# Altium PCB Radxa CM5 IO Board v2200.PcbDoc (part 2 of 8)
Units mil, origin at the board's own origin, x right, y up, seen from the top; angles counter-clockwise.
Board outline 6299.61 x 3544.09 mil, 4 copper layers (Top, GND, Power, Bottom), stack 35.4 mil thick; 482 components, 404 nets, 1857 pads, 2731 vias.
Unrouted connection lines stored in the file: 1872.
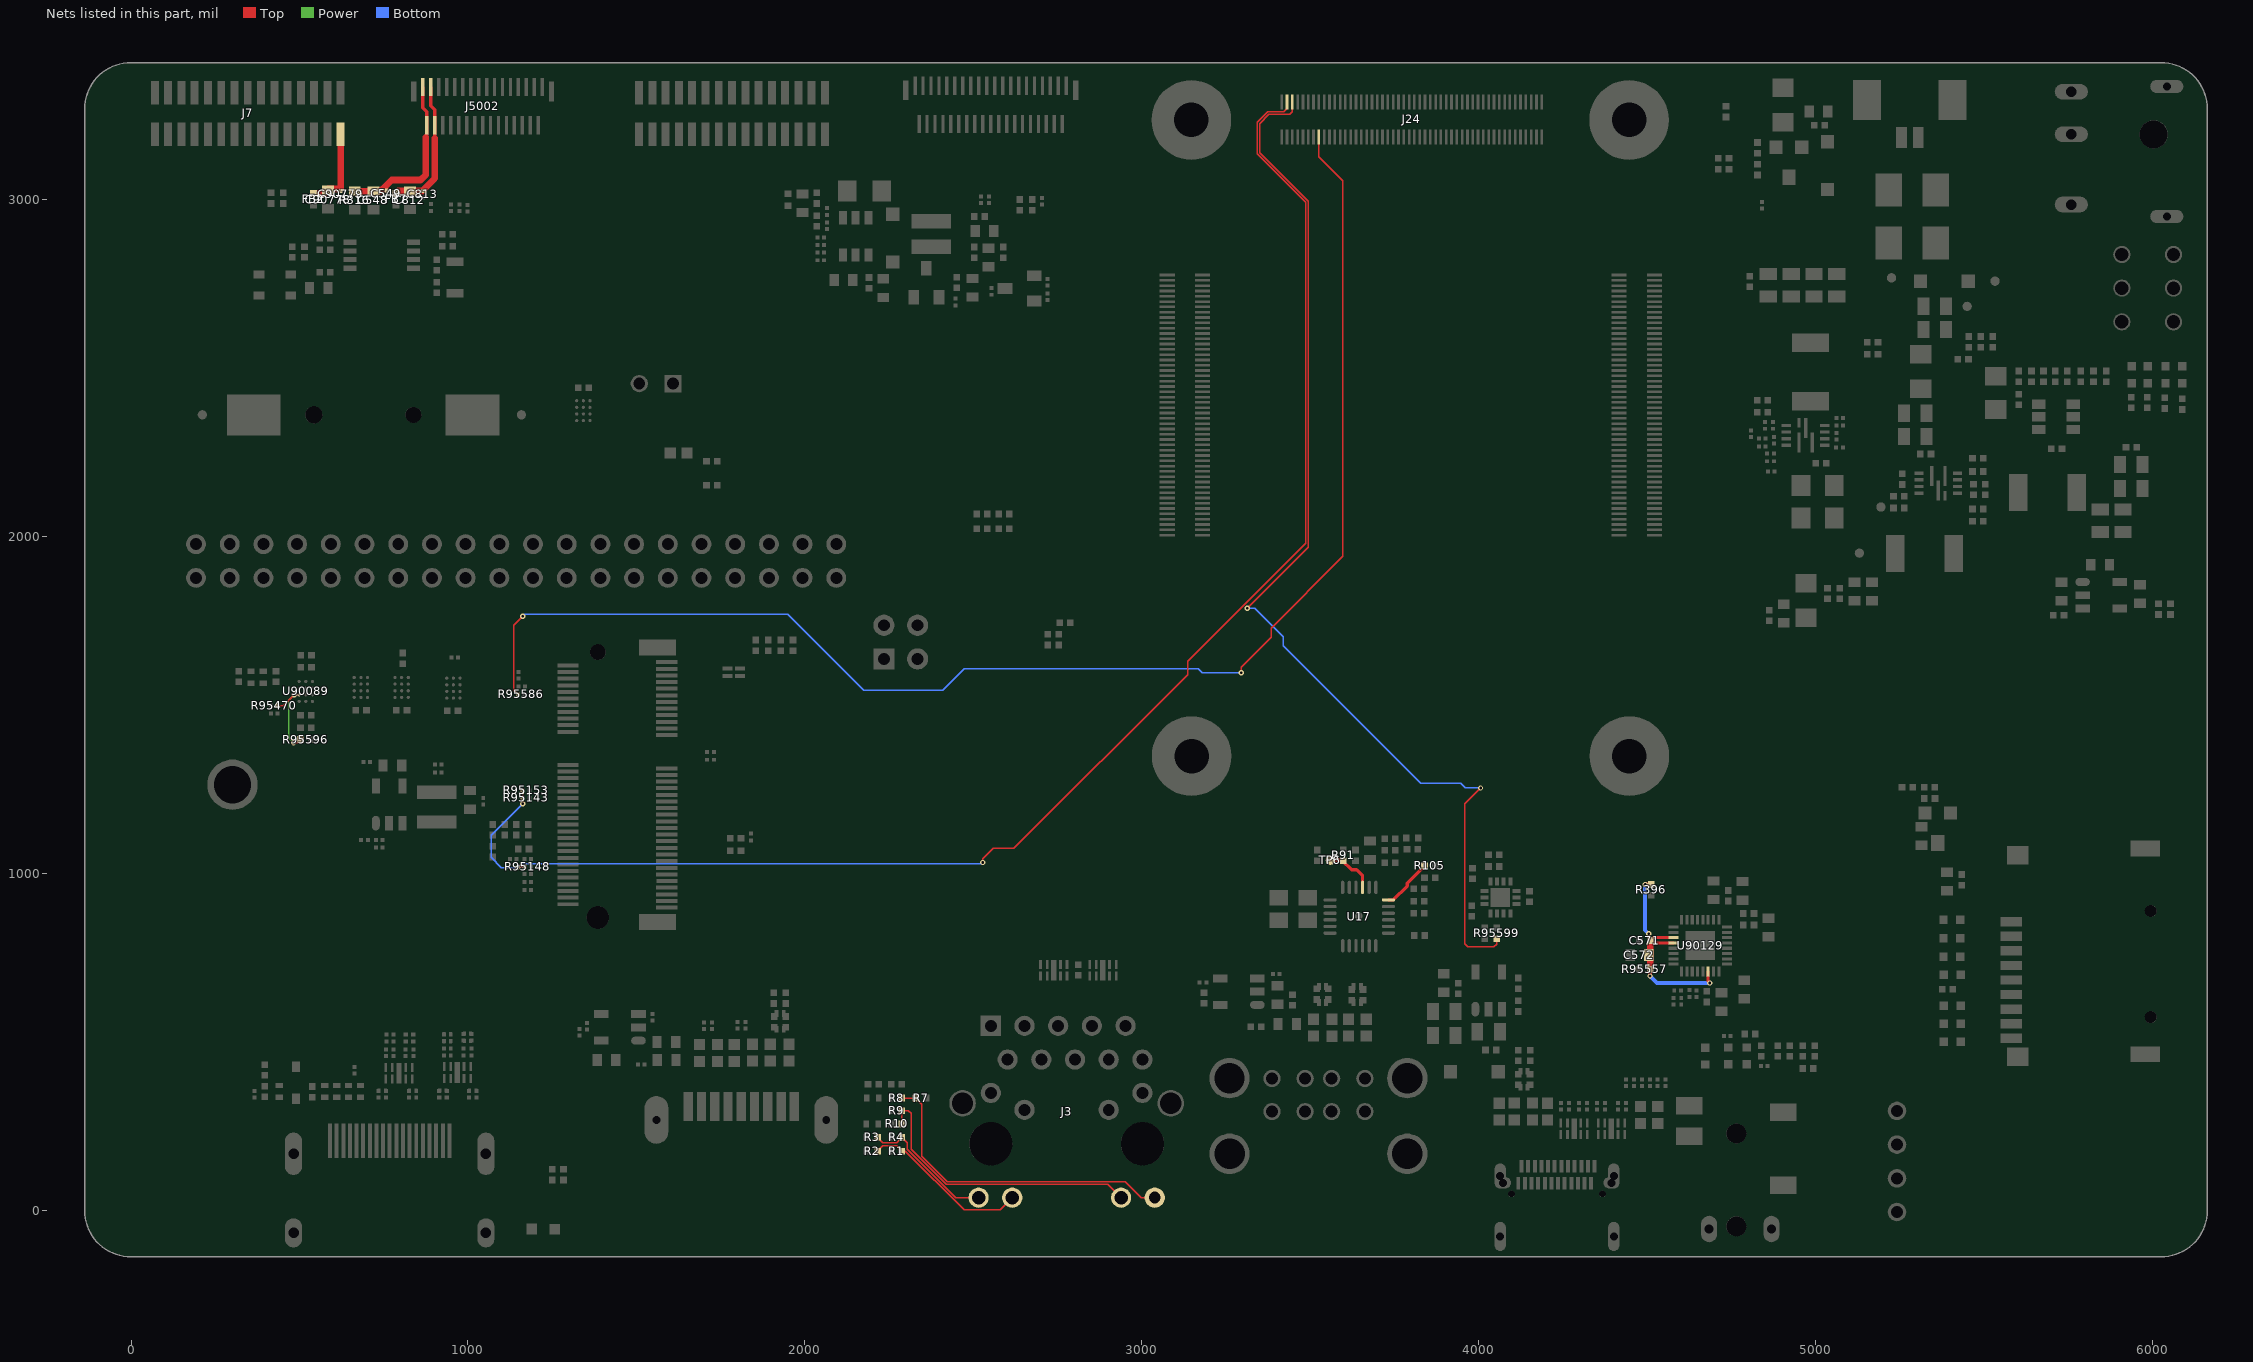
[diagram p3: the nets of this part, all layers, seen from the top]

## Footprints (in the part's own frame and the unit in brackets; to place one, negate y for a bottom-side part, rotate by r counter-clockwise, add the part's x,y. Pads: shape width x height; smd on the part's side, far side on the other; paste and mask are expansions set on the pad) (continued)
SON10_2R50X1R00X0R50 [mm]
  rect 0.2x0.675 smd: 1(-1,-0.437) 2(-0.5,-0.437) 4(0.5,-0.437) 5(1,-0.437) 6(1,0.437) 7(0.5,0.437) 9(-0.5,0.437) 10(-1,0.437)
  rect 0.4x0.775 smd: 3(0,-0.388) 8(0,0.388)
  silkscreen extent -1.46,-1.39 1.25,0.5
SOT23 [mil]
  rect 39x39 smd: 1(-38,-44.53) 2(38,-44.53)
  rect 39.37x47.24 smd: 3(0,44.53)
SOT23-6 [mm]
  rect 0.6x1 smd: 1(-0.95,-1.4) 2(0,-1.4) 3(0.95,-1.4) 4(0.95,1.4) 5(0,1.4) 6(-0.95,1.4)
  silkscreen extent -1.8,-1.9 1.5,0.8
SOT_23 [mm]
  rect 0.8x1.1 smd: 1(-0.95,-1.1) 2(0.95,-1.1) 3(0,1.1)
  silkscreen extent -1.6,-0.9 1.6,0.9
SOT_23_5 [mm]
  oval 1.1x0.6 smd: 1(-1.4,1)
  rect 1.1x0.6 smd: 2(-1.4,0) 3(-1.4,-1) 4(1.4,-1) 5(1.4,1)
  silkscreen extent -0.52,-1.5 0.55,1.5
SOT_23_6 [mm]
  rect 0.7x1 smd mask+0.05: 1(-0.95,-1.3) 2(0,-1.3) 3(0.95,-1.3) 4(0.95,1.3) 5(0,1.3) 6(-0.95,1.3)
  silkscreen extent -1.82,-1.72 1.75,0.7
TF-CKT01-009D [mm]
  rect 1.6x0.7 smd: 1(-10.516,3.2) 2(-10.516,2.1) 3(-10.516,1) 4(-10.516,-0.1) 5(-10.516,-1.2) 6(-10.516,-2.3) 7(-10.516,-3.4) 8(-10.516,-4.5) 9(-10.516,-5.6)
  rect 1.6x1.4 smd: 10(-10.016,-7) 13(-10.016,8.2)
  rect 2.2x1.2 smd: 11(-0.416,-6.8) 12(-0.416,8.7)
  round 0.9 hole 0.9 unplated: 14(0,4) 15(0,-4)
  silkscreen extent -10.52,-6.4 3.98,8.3
TP_0R70 [mm]
  round 0.7 smd: 1(0,0)
  silkscreen extent -0.45,-0.45 0.45,0.45
TYPEC-24PIN-SMD-OK [mm]
  rect 0.3x0.95 smd: A1(1.61,5.29) A2(2.11,5.29) A3(2.61,5.29) A4(3.11,5.29) A5(3.61,5.29) A6(4.11,5.29) A7(4.61,5.29) A8(5.11,5.29) A9(5.61,5.29) A10(6.11,5.29) A11(6.61,5.29) A12(7.11,5.29) B1(6.86,3.99) B2(6.36,3.99) B3(5.86,3.99) B4(5.36,3.99) B5(4.86,3.99) B6(4.36,3.99) B7(3.86,3.99) B8(3.36,3.99) B9(2.86,3.99) B10(2.36,3.99) B11(1.86,3.99) B12(1.36,3.99)
  oval 0.85x1.9 / inner oval 0.85x1.8 / far side oval 1x2.1 hole 0.6 slot 1.5 at 90 deg: E1(0,4.55) E6(8.56,4.55)
  oval 1.2x0.85 / inner oval 1.2x0.85 / far side oval 1.2x0.9 hole 0.6 slot 1 at 0 deg: E2(0.21,4.04) E5(8.38,4.04)
  oval 0.85x2.2 / inner oval 0.85x2.2 / far side oval 1x2.2 hole 0.6 slot 1.9 at 90 deg: E3(0,0)
  oval 0.85x2.2 / inner oval 0.85x2.2 / far side oval 1x2.25 hole 0.6 slot 1.9 at 90 deg: E4(8.56,0)
  round 0.5 hole 0.5: H1(0.85,3.2) H2(7.71,3.2)
  silkscreen extent -0.24,-2.35 8.87,5.55
USB30-L1 [mm]
  rect 0.7x2.2 smd: 1(-3,0) 2(-1,0) 3(1,0) 4(3,0) 5(4,0) 6(2,0) 7(0,0) 8(-2,0) 9(-4,0)
  oval 1.8x3.6 / inner oval 0.7x2.6 / far side oval 1.8x3.6 hole 0.584 slot 2.489 at 90 deg: 10(-6.4,-1) 11(6.4,-1)
  silkscreen extent -9.28,-14.64 9.29,0.92
USB_DUAL [mm]
  round 1.3 / inner round 0.9 / far side round 1.3 hole 0.9: 1(3.18,3.5) 2(3.18,1) 3(3.18,-1) 4(3.18,-3.5) 5(5.68,3.5) 6(5.68,1) 7(5.68,-1) 8(5.68,-3.5)
  round 3.048 / inner round 2.5 / far side round 3.048 hole 2.3: 9(0,6.7)
  round 3.048 / inner round 2.5 / far side round 3.048 hole 2.286: 10(0,-6.7) 11(5.7,6.7) 12(5.7,-6.7)
  silkscreen extent -9.97,-7.52 7.1,7.61
XIAO_4PIN_2D54 [mm]
  round 1.4 hole 0.9: 1(0.01,0) 2(2.55,0) 3(5.09,0) 4(7.63,0)
  silkscreen extent -1.19,-3.3 8.81,2.36

## Via types
v1: diameter 15.75, hole 7.87, Top to Bottom, 2292 vias
v2: diameter 19.68, hole 11.81, Top to Bottom, 439 vias

## Nets (pads, with @x,y where several pads share a name; then routed paths per layer and width w, separated by ;. In a path a pad name is that pad's centre, name@x,y a point inside that pad or via, vN(x,y) a via of type N, cw(c..) or ccw(c..) an arc to the next point about the centre after c; other vN are vias at no path point)
3V3_CAM1: C90778.1 C90779.1 FB2.2 J7.1 | length 256.6
  Top w11.81: C90779.1@622.05,3024.61 622.05,3030.51
  Top w19.68: FB2.2@541.34,3017.72 575.79,3017.72 C90778.1@584.65,3026.57 584.65,3030.51 622.05,3030.51 J7.1@622.05,3192.91
3V3_CAM2: C812.1 C813.1 FB7.2 J5002.28 J5002.29 | length 411
  Top w3.94: C813.1@864.17,3024.61 C813.1@866.14,3024.61
  Top w9.84: J5002.29@889.76,3332.68 889.76,3277.56 901.57,3265.75 J5002.28@901.57,3219.5 901.57,3197.5 901.57,3180.12
  Top w19.68: FB7.2@786.42,3017.72 793.31,3024.61 C812.1@827.76,3024.61 864.17,3024.61 901.57,3062.01 901.57,3180.12
5V_CAM: C548.1 C549.1 J5002.30 J5002.31 R316.2 | length 530
  Top w9.84: J5002.31@866.14,3332.68 866.14,3271.65 877.95,3259.84 J5002.30@877.95,3219.5 877.95,3187.01 875,3184.06
  Top w11.81: 740.65,3024.11 743.6,3024.11 745.08,3025.59 C549.1@757.87,3025.59
  Top w12.99: 755.91,3039.37 756.5,3039.37 757.87,3037.99 C549.1@757.87,3025.59
  Top w19.68: R316.2@663.88,3024.11 C548.1@719,3024.11 740.65,3024.11 755.91,3039.37 773.62,3057.09 859.25,3057.09 875,3072.83 875,3184.06
100M_LED_G+: J3.15 R3.2 R4.1 | length 398.3
  Top w3.94: R3.2@2215.55,216.54 2231.3,200.79 2271.65,200.79 R4.1@2287.4,216.54 2303.15,200.79 2303.15,181.47 2447.45,37.17 J3.15@2515.17,37.17
100M_LED_G-: J3.16 R1.2 R2.1 | length 499.8
  Top w3.94: R2.1@2215.55,175.2 2231.3,190.94 2271.65,190.94 R1.2@2287.4,175.2 2298.29,175.2 2472.5,0.98 2578.99,0.98 J3.16@2615.17,37.17
1000M_LED_Y+: J3.17 R9.2 R10.1 | length 859.3
  Top w3.94: R10.1@2287.4,255.91 R9.2@2287.4,295.28 2307.09,295.28 2314.96,287.4 2314.96,180.79 2418.98,76.77 2898.4,76.77 J3.17@2938.01,37.17
1000M_LED_Y-: J3.18 R7.2 R8.1 | length 963.5
  Top w3.94: R8.1@2287.4,332.68 R7.2@2328.74,332.68 2346.46,314.96 2346.46,160.43 2422.24,84.65 2949.8,84.65 2997.28,37.17 J3.18@3038.01,37.17
AVCC_1V8_CODEC_S0: C571.1 C572.1 R396.1 R95557.2 U90129.3 U90129.4 U90129.14 | length 669.2
  Top w9.06: U90129.4@4576.96,792.94 4515.13,792.94 C571.1@4507.87,800.2 4516.36,808.69 U90129.3@4576.96,808.69 ; U90129.14@4680.3,708.29 4680.3,678.95 v1(4685.04,674.21)
  Top w11.81: v1(4493.11,966.54) R396.1@4511.81,966.54 ; v1(4503.94,819.88) 4503.94,800.2 C571.1@4507.87,800.2 ; v1(4507.87,694.88) R95557.2@4507.87,714.57
  Top w19.68: C572.1@4503.94,756.89 C572.1@4507.87,756.89 ; R95557.2@4507.87,714.57 C572.1@4507.87,756.89 ; C571.1@4507.87,800.2 C572.1@4507.87,756.89
  Bottom w11.81: v1(4493.11,966.54) 4493.11,830.71 v1(4503.94,819.88) ; v1(4507.87,694.88) 4528.54,674.21 v1(4685.04,674.21)
BT_HOST_WAKE: J24.85 R95586.1 | length 4252.4
  Top w3.94: R95586.1@1148.58,1530.5 1135.83,1543.25 1135.83,1736.22 v1(1162.4,1762.8) ; v1(3294.67,1595.1) 3294.67,1611.6 3383.86,1700.79 3383.86,1727.36 3596.46,1939.96 3596.46,3055.09 3525,3126.54 J24.85@3525,3184.65
  Bottom w3.94: v1(1162.4,1762.8) 1168.31,1768.7 1948.57,1768.7 2173.96,1543.31 2408.72,1543.31 2472.69,1607.28 3166.45,1607.28 3178.63,1595.1 v1(3294.67,1595.1)
BT_REG_ON_H: J24.98 R95143.1 R95148.1 R95153.1 | length 4551.8
  Top w3.94: v1(1147.64,1016.73) 1147.64,1019.68 R95148.1@1167.28,1019.67 ; R95153.1@1162.36,1246.05 R95143.1@1162.36,1223.41 v1(1162.4,1205.71) v1(1162.4,1205.71) ; v1(2527.56,1031.5) 2527.56,1042.95 2558.59,1073.97 2620.09,1073.97 3135.54,1589.42 3135.54,1628.5 3485.63,1978.59 3485.63,2991.14 3341.54,3135.24 3341.54,3227.92 3373.46,3259.84 3420.75,3259.84 3430.51,3269.6 J24.98@3430.51,3288.58
  Bottom w3.94: v1(1162.4,1205.71) 1068.9,1112.2 1068.9,1047.24 1099.41,1016.73 v1(1147.64,1016.73) 1159.45,1028.54 2524.61,1028.54 v1(2527.56,1031.5)
BUSJ: R105.2 U17.18 | length 154.1
  Top w9.84: U17.18@3731.49,920.57 3746.25,920.57 3787.4,961.72 3787.4,970.47 R105.2@3838.58,1021.65
CC_INT0_L: J24.96 R95599.1 | length 3244
  Top w3.94: v1(3312.43,1785.87) 3493.5,1966.95 3493.5,2994.4 3349.41,3138.5 3349.41,3224.66 3376.72,3251.97 3438.98,3251.97 3446.26,3259.25 J24.96@3446.26,3288.58 ; 3966.4,781.37 3957.9,789.87 3957.9,1205.93 v1(4004.92,1252.95) ; 3966.41,781.38 4044.6,781.38 4052.78,789.56 R95599.1@4052.78,805.87
  Bottom w3.94: v1(3312.43,1785.87) 3335.19,1785.87 3419.29,1701.77 3419.29,1674.21 3826.77,1266.73 3945.87,1266.73 3959.65,1252.95 v1(4004.92,1252.95)
DRV: R91.2 TP6.1 U17.21 | length 154.4
  Top w9.84: R91.2@3597.44,1037.4 3594.98,1037.4 3622.54,1009.84 3636.81,1009.84 3654.72,991.94 U17.21@3654.72,957.97
  Top w11.81: TP6.1@3559.06,1038.39 3597.44,1038.39 R91.2@3597.44,1037.4
EINT_CTP1: R95470.1 R95596.2 U90089.C1 | length 257.9
  Top w3.94: R95470.1@435.04,1497.05 451.77,1497.05 v1(484.25,1529.53) U90089.C1@499.02,1529.53 ; v1(482.28,1386.81) 493.11,1386.81 R95596.2@502.95,1396.65
  Power w3.94: v1(482.28,1386.81) 467.52,1401.57 467.52,1512.8 v1(484.25,1529.53)